# Altium PCB CMTestBoard.PcbDoc (part 2 of 2)
Units mil, origin at the board's own origin, x right, y up, seen from the top; angles counter-clockwise.
Board outline 3746.98 x 3732.78 mil, 4 copper layers (Top Layer, Layer 1, Layer 2, Bottom Layer), stack 22.4 mil thick; 125 components, 107 nets, 710 pads, 269 vias.
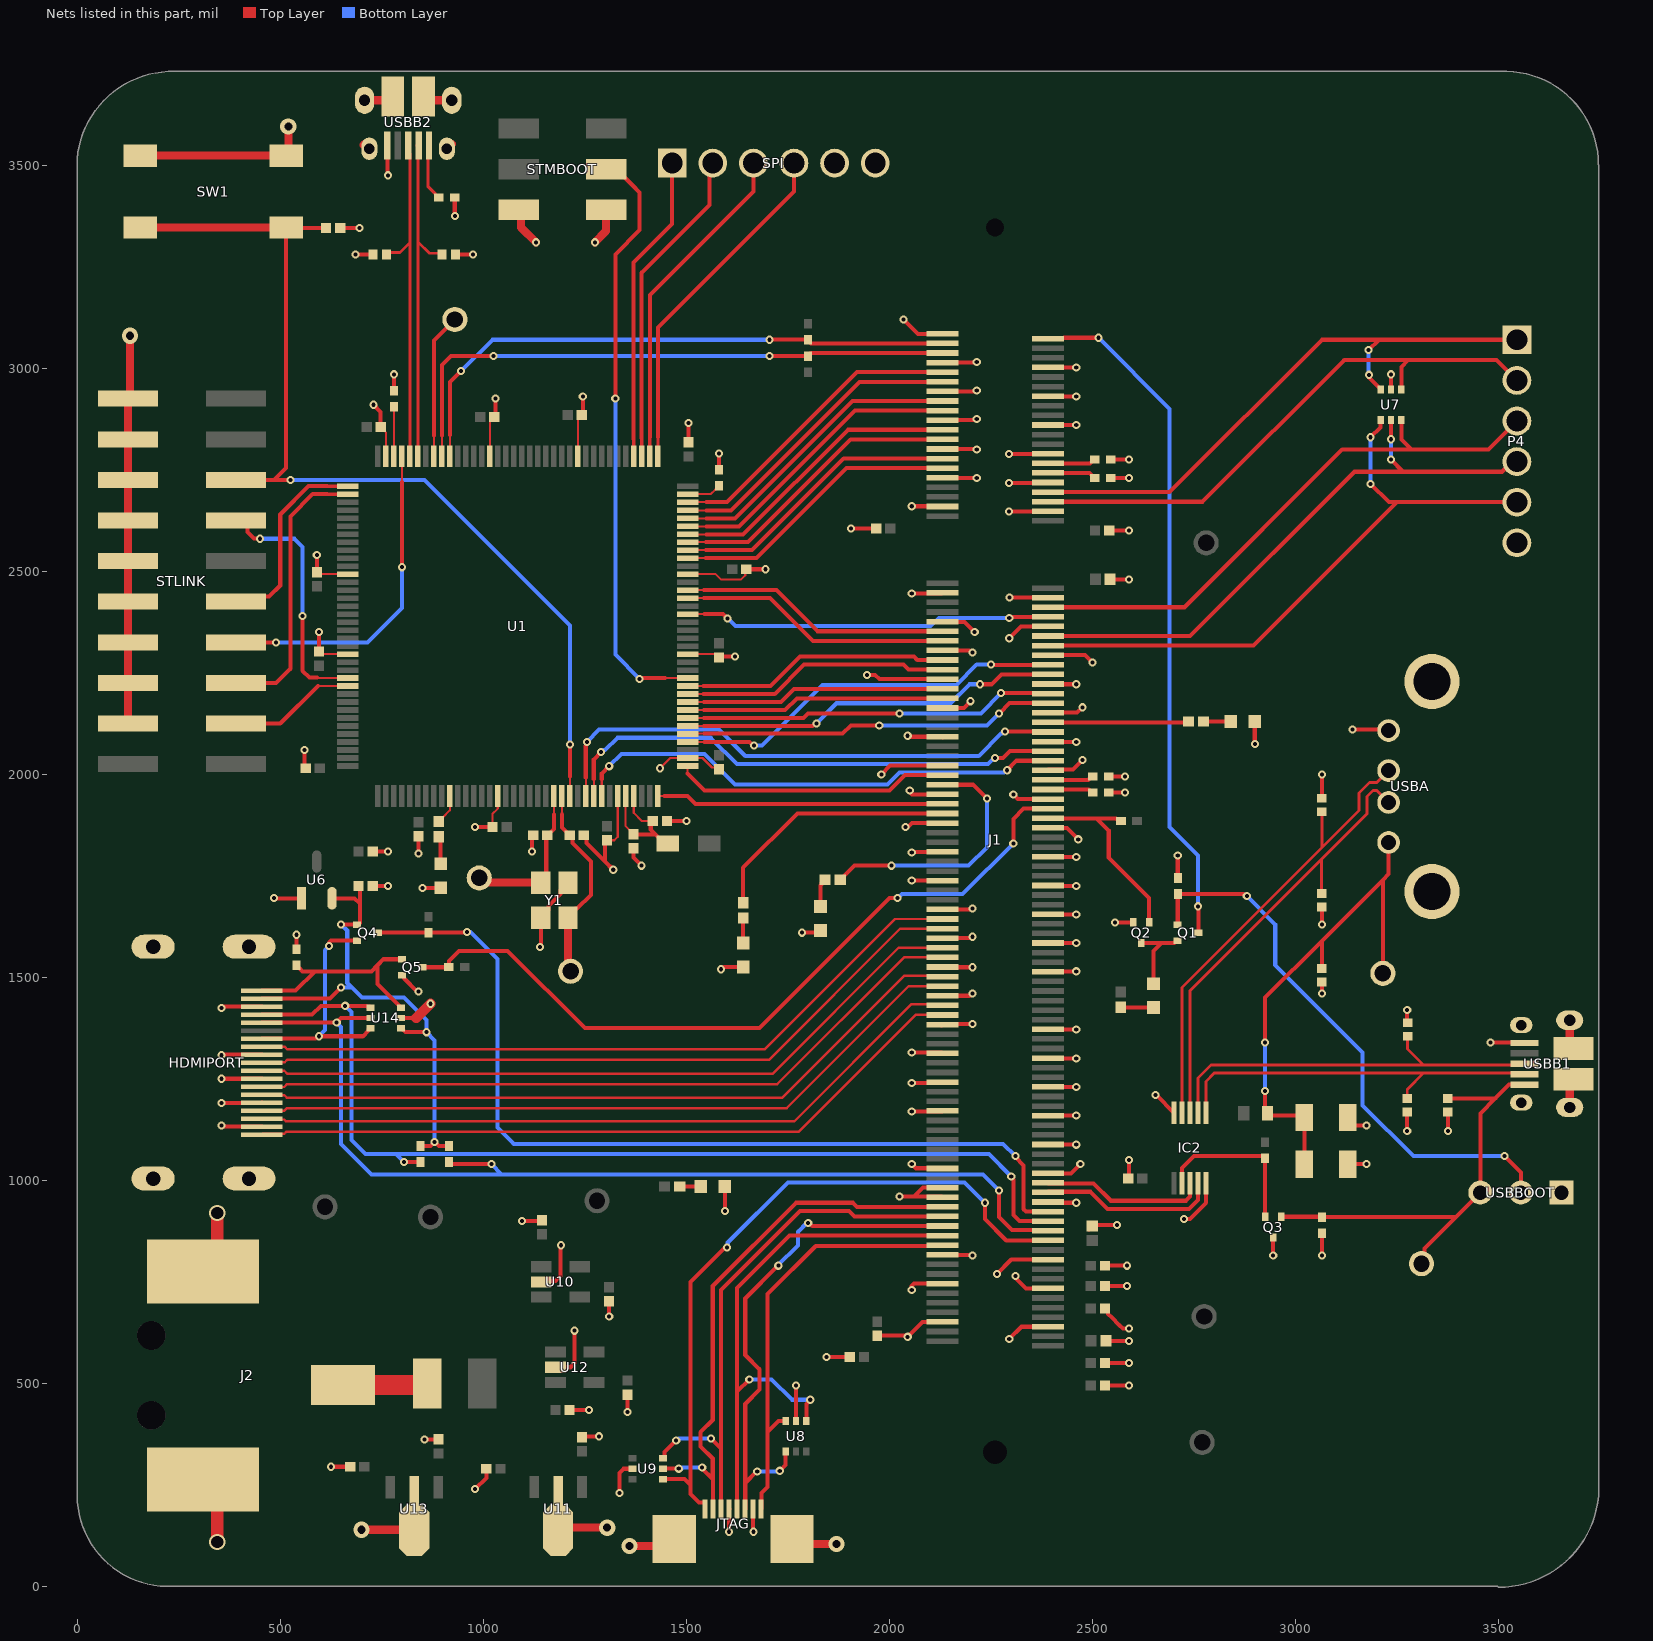
[diagram p4: the nets of this part, all layers, seen from the top]

## Via types
v1: diameter 20, hole 10, Top Layer to Bottom Layer, 245 vias
v2: diameter 40, hole 20, Top Layer to Bottom Layer, 22 vias
v3: diameter 40, hole 30, Top Layer to Bottom Layer, 2 vias

## Nets (pads, with @x,y where several pads share a name; then routed paths per layer and width w, separated by ;. In a path a pad name is that pad's centre, name@x,y a point inside that pad or via, vN(x,y) a via of type N, cw(c..) or ccw(c..) an arc to the next point about the centre after c; other vN are vias at no path point) (continued)
BOOT1: STMBOOT.4 U1.48 | length 1497.7
  Top Layer w5: 1447.05,2237.05 U1.48@1503.31,2237.05
  Top Layer w10: STMBOOT.4@1277.48,3490 1327.48,3490 1366.74,3450.74 1385,3432.48 1385,3340 1325,3280 v1(1325,2925) ; v1(1385,2235) 1386.91,2236.91 1393.98,2236.91 1394.12,2237.05 1447.05,2237.05
  Bottom Layer w10: v1(1325,2925) 1325,2295 v1(1385,2235)
CEC: HDMIPORT.13 Q4.2 U14.6 | length 588.9
  Top Layer w10: HDMIPORT.13@454.64,1349.06 455.16,1349.57 504.78,1349.57 505.21,1350 587.29,1350 v1@592.29,1355 ; v1(595,1355) 703.19,1355 717.76,1369.57 717.76,1371.54 720.63,1374.41 U14.6@722.6,1374.41 ; v1(620.21,1577.71) 620.21,1585.21 625.31,1590.31 Q4.2@689.41,1590.31
  Bottom Layer w10: v1(595,1355) 610,1370 610,1566.85 620.21,1577.06 v1(620.21,1577.71)
CHGND: D1.2 D2.2 D3.2 D4.2 D5.2 D6.2 D7.2 D8.2 HDMIPORT.2 HDMIPORT.5 HDMIPORT.8 HDMIPORT.11 HDMIPORT.17 HDMIPORT.Shell JTAG.MP1 JTAG.MP2 U7.2 U8.2 U9.2 U14.2 USBA.Shell USBB1.6 USBB1.7 USBB1.8 USBB1.9 USBB1.10 USBB1.11 USBB2.6 USBB2.7 USBB2.8 USBB2.9 USBB2.10 USBB2.11 | length 1708.1
  Top Layer w10: v1@353.34,1250.38 v1@353.72,1250 ; v1@353.81,1190.53 v1@354.86,1191.57 ; v1(355,1135) 357.71,1135 360.19,1132.52 HDMIPORT.2@454.64,1132.52 ; v1(355,1190.53) 403.97,1190.53 404.51,1191.06 454.13,1191.06 HDMIPORT.5@454.64,1191.57 ; v1(355,1250.38) 453.88,1250.38 454.13,1250.12 HDMIPORT.8@454.64,1250.63 ; v1(355,1308.25) 356.43,1309.68 HDMIPORT.11@454.64,1309.68 HDMIPORT.11@454.91,1309.42 ; v1(355,1425) 357.71,1425 360.5,1427.8 HDMIPORT.17@454.64,1427.8 ; v1(685,3280) D8.2@728.27,3280 ; U14.2@797.4,1400 835,1400 ; D7.2@931.73,3280 v1(975,3280) ; v1(1335,230) 1335,280 1345,290 U9.2@1367.6,290 ; U8.2@1770,407.4 v1(1770,495) ; v1(3065,1460) D1.2@3065,1484.7 ; v1(3065,1630) D2.2@3065,1673.27 ; D3.2@3065,1941.22 v1(3065,2000) ; U7.2@3235,2947.4 v1(3235,2985) ; v1@3275,1120 D5.2@3275,1168.27 ; v1(3275,1420) 3275,1392.38 3277.38,1390 D6.2@3275.87,1388.48 ; v1(3375,1121.88) D4.2@3375,1168.27
  Top Layer w20: USBB2.7@705,3549.53 707.72,3552.24 USBB2.7@719.53,3540.43 ; USBB2.8@707.72,3659.72 767.26,3659.72 USBB2.11@777.11,3669.57 ; USBB2.10@852.89,3669.57 862.74,3659.72 USBB2.9@922.28,3659.72 ; USBB2.6@910.47,3540.43 USBB2.6@922.28,3552.24 ; v2(1360,100) 1452.56,100 JTAG.MP1@1470.12,117.56 ; JTAG.MP2@1759.88,117.56 1772.44,105 v2(1870,105) ; USBB1.9@3675.16,1179.82 3675.16,1239.37 USBB1.10@3685,1249.21 ; USBB1.8@3675.16,1394.39 3675.16,1334.84 USBB1.11@3685,1325
  Top Layer w25: 835,1400 v1(870,1435)
  other v1: 3275,1121.88
COMMS_EN: J1.59 U1.46 | length 661.8
  Top Layer w5: U1.46@1503.31,2197.68 1542.68,2197.68
  Top Layer w10: 1542.68,2197.68 1717.68,2197.68 1790,2270 2035,2270 2047.17,2257.83 J1.59@2130.16,2257.83
CS: J1.58 U1.40 | length 972.9
  Top Layer w5: U1.40@1503.31,2079.57 1503.74,2080 1545,2080
  Top Layer w10: 1545,2080 1655.39,2080 1664.25,2071.15 v1(1666.25,2071.15) ; v1@2250,2269.65 J1.58@2390,2269.65
  Bottom Layer w10: v1(1666.25,2071.15) 1686.15,2071.15 1835,2220 2165,2220 2215,2270 v1(2250,2270)
CS2: SPI.4 U1.73 | length 860.7
  Top Layer w8: U1.73@1429.49,2783.31 1430,2783.82 1430,2830
  Top Layer w10: 1430,2830 1430,3100 1765,3435 SPI.4@1765,3505
EMMC_DISABLE_IN: J1.2 Q1.3 | length 1692.6
  Top Layer w10: J1.2@2390,3072.8 2391.89,3074.69 2429.91,3074.69 2430.23,3075 v1(2515,3075) ; v1(2760,1675) 2760.59,1674.41 Q1.3@2760.59,1610
  Bottom Layer w10: v1(2515,3075) 2690,2900 2690,1870 2760,1800 v1(2760,1675)
EMMC_EN_N1.8V: J1.90 Q2.1 R12.1 | length 492.8
  Top Layer w10: J1.90@2390,1891.69 2510.2,1891.69 ; R12.1@2570.32,1885 2565.47,1889.84 2559.5,1889.84 2557.65,1891.69 2510.2,1891.69 ; Q2.1@2639.68,1635.59 2639.68,1695.32 2540,1795 2540,1861.89 2517.65,1884.24 2510.2,1891.69
GND: C5.1 C6.2 C7.2 C8.2 C10.1 C11.2 C12.2 C13.2 C15.1 C16.2 C17.2 C18.2 C20.2 C21.1 C22.1 C23.2 C24.2 C25.2 C26.2 C27.2 C28.2 C29.2 C30.2 C31.2 C32.2 C33.2 C34.2 C35.2 C36.2 C37.2 C38.2 C39.2 C40.2 C41.2 C42.2 C43.1 C44.1 C45.2 C46.2 C47.2 C48.2 C49.2 C50.2 C51.2 C52.2 DS1.2 DS4.2 DS5.2 DS6.2 IC2.5 IC2.10 J1.1 J1.7 J1.8 J1.13 J1.14 J1.19 J1.20 J1.25 J1.26 J1.31 J1.32 J1.37 J1.38 J1.43 J1.44 J1.49 J1.50 J1.55 J1.56 J1.61 J1.62 J1.67 J1.68 J1.73 J1.74 J1.79 J1.80 J1.85 J1.86 J1.91 J1.92 J1.97 J1.98 J1.103 J1.104 J1.109 J1.110 J1.115 J1.116 J1.121 J1.122 J1.127 J1.133 J1.134 J1.139 J1.140 J1.145 J1.146 J1.151 J1.152 J1.157 J1.163 J1.164 J1.168 J1.169 J1.170 J1.181 J1.182 J1.187 J1.188 J1.195 J1.196 J2.2 J2.3 JTAG.4 JTAG.7 P4.6 PWR1.2 Q2.2 Q3.3 Q5.2 R1.2 R2.2 R3.2 R4.2 R11.1 R15.1 R18.2 R22.2 SPI.5 SPI.6 STLINK.4 STLINK.6 STLINK.8 STLINK.10 STLINK.12 STLINK.14 STLINK.16 STLINK.18 STLINK.20 STMBOOT.5 STMBOOT.6 SW1.3 SW1.4 U1.16 U1.31 U1.38 U1.51 U1.61 U1.83 U1.94 U1.107 U1.120 U1.130 U6.1 U10.2 U11.2 U12.2 U13.2 USBA.4 USBB1.5 USBB2.5 USBBOOT.1 Y1.2 Y1.4 | length 12864.3
  Top Layer w5: C30.2@590,2497.32 594.37,2492.95 U1.120@666.69,2492.95 ; C29.2@600,2296.1 U1.130@666.69,2296.1 ; C31.2@747.32,2855 747.91,2855 757.62,2845.3 757.62,2844.7 760.2,2842.13 U1.107@760.2,2783.31 ; U1.94@1016.1,2783.31 1016.1,2867.37 1017.03,2868.29 1017.03,2870.3 C32.2@1026.73,2880 ; C27.2@1022.68,1870 1022.68,1902.68 1035.55,1915.55 1035.55,1946.45 U1.16@1035.79,1946.69 ; U1.83@1232.64,2783.31 1232.64,2875.32 C33.2@1242.32,2885 ; C37.2@1305,1837.68 1322.68,1837.68 1331.06,1846.06 U1.31@1331.06,1946.69 ; v1(1435,2015) 1460.2,2040.2 U1.38@1503.31,2040.2 1539.8,2040.2 1563.22,2016.78 1575.9,2016.78 C36.2@1580,2012.68 ; U1.51@1503.31,2296.1 1571.57,2296.1 C35.2@1580,2287.68 ; U1.61@1503.31,2492.95 1572.05,2492.95 1585,2480 1635,2480 1645,2490 1645,2502.68 C34.2@1647.32,2505 ; DS6.2@1824.53,1610 DS6.2@1830,1615.47
  Top Layer w10: J2.3@310.31,264.09 J2.3@314.41,260 ; v1(485,1695) 485.3,1694.7 U6.1@552.6,1694.7 ; R22.2@540,1569.69 v1(540,1605) ; v1(560,2060) 560,2017.68 C39.2@562.68,2015 ; C30.2@590,2497.32 v1(590,2540) ; C29.2@595,2302.32 v1(595,2350) ; v1(625,295) C51.2@672.68,295 ; C42.2@647.32,3345 v1(695,3345) ; C24.2@723.78,1725 C24.2@727.32,1725 v1(765,1725) ; C23.2@723.78,1810 C23.2@727.32,1810 v1(765,1810) ; v1(730,2910) 747.32,2892.68 C31.2@747.32,2855 ; USBB2.5@763.82,3548.5 763.82,3476.18 v1(765,3475) ; C43.1@780,2944.68 v1(780,2985) ; Q5.2@799.41,1505.31 801.57,1505.31 804.45,1502.44 804.45,1497.85 837.29,1465 v1(840,1465) ; v1(840,1805) C28.2@840,1847.68 ; v1(850,1720) 894.53,1720 DS1.2@895,1720.47 ; v1@852.71,360 v1(855.03,362.32) C52.2@890,362.32 ; R18.2@929.69,3420 929.69,3375.31 v1(930,3375) ; v1(980,240) 1007.68,267.68 C49.2@1007.68,290 ; v1(980,1870) 1017.32,1870 1020,1867.32 C27.2@1022.68,1870 ; C32.2@1026.73,2880 1030,2883.27 v1(1030,2925) ; v1(1095,900) 1142.68,900 C45.2@1145,902.32 ; v1(1120,1810) 1120,1847.32 C26.2@1122.68,1850 ; v1(1140,1575) 1141.54,1576.54 Y1.4@1141.54,1646.69 1160.16,1665.32 1160.16,1675.16 1189.84,1704.84 1189.84,1714.68 Y1.2@1208.46,1733.31 ; U10.2@1142.76,750 1145.24,752.49 1177.49,752.49 1190,765 1190,839.14 v1(1191.25,840.39) ; U12.2@1177.76,540 1215,540 1225,550 v1(1225,630) ; C47.2@1212.32,435 v1(1260,435) ; C33.2@1242.32,2885 1245,2887.68 v1(1245,2930) ; C50.2@1242.83,367.35 1245.48,370 v1(1285,370) ; C25.2@1247.32,1850 1254.27,1843.05 1254.27,1830.73 1300,1785 ; C37.2@1305,1837.68 1300,1832.68 1300,1785 ; v1(1310,665) C48.2@1310,702.68 ; v1(1320,1765) 1300,1785 ; v1(1355,430) C46.2@1355,472.68 ; C41.2@1370,1817.68 1370,1795 v1(1390,1775) ; C40.2@1452.32,1885 v1(1500,1885) ; C38.2@1505,2817.32 v1(1505,2865) ; C35.2@1580,2287.68 1582.32,2290 v1(1620,2290) ; C44.1@1580,2749.68 v1(1580,2790) ; v1(1585,1520) 1587.71,1520 1593.18,1525.47 DS5.2@1640,1525.47 ; v1(1595,925) 1595,979.53 PWR1.2@1600.47,985 ; v1(1605,135) 1605.16,135.16 JTAG.4@1605.16,190.79 JTAG.4@1605.71,191.34 ; C34.2@1647.32,2505 v1(1695,2505) ; JTAG.7@1664.21,190.79 1664.21,135.79 v1(1665,135) ; v1(1785,1610) DS6.2@1824.53,1610 ; DS6.2@1834.53,1610 DS6.2@1835,1610.47 ; v1(1845,565) C7.2@1902.68,565 C7.2@1905.56,565 ; v1(1905,2605) C13.2@1967.68,2605 ; v1(1945,2245) 1965,2245 1975.79,2234.21 J1.61@2130.16,2234.21 ; C12.2@1980,617.68 2042.32,617.68 v1(2045,615) 2081.54,651.54 J1.196@2130.16,651.54 ; v1(1980,2000) 2001.61,2021.61 J1.79@2130.16,2021.61 ; v1(2025,960) 2060,960 ; v1(2035,3120) 2070.39,3084.61 J1.1@2130.16,3084.61 ; v1(2040,1870) 2045.24,1870 2055.12,1879.88 J1.91@2130.16,1879.88 ; v1(2045,2095) 2047.71,2095 2050.23,2092.48 J1.73@2130.16,2092.48 J1.73@2131.4,2091.24 ; v1(2050,1960) 2050,1956.5 2055.75,1950.75 J1.85@2130.16,1950.75 ; v1(2055,730) 2055,740 2061.02,746.02 J1.188@2130.16,746.02 ; v1(2055,1040) 2055.86,1040 2065.86,1030 2129.65,1030 J1.164@2130.16,1029.49 ; v1(2055,1170) 2128.94,1170 J1.152@2130.16,1171.22 ; v1(2055,1240) 2089.93,1240 2090.13,1240.2 2128.27,1240.2 J1.146@2130.16,1242.09 ; v1(2055,1315) 2089.93,1315 2090.09,1314.84 2128.27,1314.84 J1.139@2130.16,1312.95 ; v1(2055,2445) 2128.35,2445 J1.43@2130.16,2446.81 ; v1(2055,2660) 2129.57,2660 J1.37@2130.16,2659.41 ; v1@2055.53,1738.25 2055.63,1738.15 J1.103@2130.16,1738.15 ; v1@2055.72,1807.9 2056.84,1809.02 J1.97@2130.16,1809.02 ; J1.133@2128.27,1381.93 J1.133@2130.16,1383.82 ; J1.133@2128.27,1383.62 2129.65,1385 v1(2205,1385) ; J1.19@2128.27,2870.12 J1.19@2130.16,2872.01 2209.3,2872.01 2212.29,2875 v1(2215,2875) ; J1.182@2130.16,816.89 2203.11,816.89 v1(2205,815) ; J1.170@2130.16,958.62 2128.78,960 2060,960 ; J1.168@2130.16,982.24 2082.24,982.24 2060,960 ; J1.127@2130.16,1454.68 2196.98,1454.68 2202.29,1460 v1(2205,1460) ; J1.121@2130.16,1525.55 2129.61,1525 v1(2205,1525) ; J1.115@2130.16,1596.42 2196.42,1596.42 v1@2200,1600 ; J1.109@2130.16,1667.28 2199.58,1667.28 2202.29,1670 v1(2205,1670) ; J1.67@2130.16,2163.35 2183.35,2163.35 v1(2200,2180) ; J1.55@2130.16,2305.08 2130.24,2305 2197.29,2305 2202.29,2300 v1(2205,2300) ; J1.49@2130.16,2375.94 2129.21,2375 2185,2375 v1(2210,2350) ; J1.31@2130.16,2730.28 2129.88,2730 v1(2215,2730) ; J1.25@2130.16,2801.14 2213.86,2801.14 v1(2215,2800) ; J1.13@2130.16,2942.87 2210.17,2942.87 2212.29,2945 v1(2215,2945) ; J1.7@2130.16,3013.74 2130.79,3014.37 2214.37,3014.37 v1(2215,3015) ; v1(2265,770) 2300,805 2389.92,805 J1.181@2390,805.08 ; v1(2294.33,2647.51) 2390.09,2647.51 J1.38@2390,2647.6 ; v1(2294.33,2717.6) 2390.24,2717.6 2390.55,2717.91 J1.32@2390,2718.46 ; v1(2294.33,2789) 2390.33,2789 J1.26@2390,2789.33 ; v1(2295,610) 2324.72,639.72 J1.195@2390,639.72 ; v1(2295,2335) 2324.13,2364.13 J1.50@2390,2364.13 ; v1(2295.88,2434.95) J1.44@2390,2435 J1.44@2390,2435 ; v1(2305,1950) 2316.06,1938.94 J1.86@2390,1938.94 ; v1(2310,765) 2311.91,763.09 2311.91,758.09 2335.79,734.21 J1.187@2390,734.21 ; J1.169@2390,946.81 2391.81,945 v1@2455,945 ; J1.163@2390,1017.68 2390.15,1017.53 2447.53,1017.53 v1(2470,1040) ; J1.157@2390,1088.54 2455.9,1088.54 v1@2456.44,1088 ; J1.151@2390,1159.41 2390.59,1160 v1@2455,1160 ; J1.145@2390,1230.28 2390.28,1230 v1@2455,1230 ; J1.140@2390,1301.14 2391.14,1300 v1@2455,1300 ; J1.134@2390,1372.01 v1@2453.5,1372.02 ; J1.122@2390,1513.74 2391.26,1515 v1(2460,1515) ; J1.116@2390,1584.61 2390.39,1585 v1(2460,1585) ; J1.110@2390,1655.47 2390.47,1655 v1(2460,1655) ; J1.104@2390,1726.34 2391.34,1725 v1(2460,1725) ; J1.98@2390,1797.2 2390.5,1796.71 v1(2460,1796.71) ; J1.92@2390,1868.07 2390.27,1867.8 2437.2,1867.8 v1(2465,1840) ; J1.80@2390,2009.8 2391.89,2011.69 2451.69,2011.69 v1(2475,2035) ; J1.74@2390,2080.67 2390.67,2080 v1(2460,2080) ; J1.68@2390,2151.54 2390.47,2152 2462,2152 v1(2475,2165) ; J1.62@2390,2222.4 2390.58,2221.82 v1(2460,2221.82) ; J1.56@2390,2293.27 2390.45,2293.72 2481.28,2293.72 v1(2500,2275) ; J1.20@2390,2860.2 2390.2,2860 v1(2460,2860) ; J1.14@2390,2931.06 2390.29,2930.77 v1(2460,2930.77) ; J1.8@2390,3001.93 2390.39,3001.54 v1(2460,3001.54) ; C15.1@2491.51,879.62 C15.1@2500,888.11 2506.89,895 2511.89,890 v1(2560,890) ; C18.2@2530.75,685 2531.34,685 2538.54,677.8 2538.54,671.46 2547.66,662.34 2565.89,644.11 2575,635 v1(2590,635) ; C17.2@2532.32,740 v1(2585,740) ; C16.2@2532.32,790 v1(2585,790) ; C8.2@2537.32,495 v1(2590,495) ; C6.2@2537.32,550 v1(2590,550) ; C5.1@2538.11,605 v1(2590,605) ; R4.2@2539.69,1955 v1(2580,1955) ; R3.2@2539.69,1995 v1(2580,1995) ; C11.2@2540.94,2600 v1(2590,2600) ; C10.1@2543.31,2480 v1(2590,2480) ; R2.2@2544.69,2730 v1(2590,2730) ; R1.2@2544.69,2775 v1(2590,2775) ; v1(2555,1635) 2599.72,1635 Q2.2@2600.31,1635.59 ; C20.2@2587.68,1005 2590,1007.32 v1(2590,1050) ; v1(2655,1210) 2657.24,1210 IC2.10@2700.63,1166.61 ; R11.1@2710,1744.68 v1(2710,1800) ; v1(2725,905) 2725.18,905.18 2740.18,905.18 2780,945 2780,992.76 IC2.5@2779.37,993.39 ; DS4.2@2894.53,2130 DS4.2@2895,2129.53 ; DS4.2@2899.53,2130 2899.53,2075.47 v1(2900,2075) ; v1(2945,815) Q3.3@2945,859.41 ; v1(3065,815) R15.1@3065,870.32 ; C21.1@3128.15,1040 v1(3175,1040) ; C22.1@3128.15,1155 3148.15,1135 v1(3175,1135) ; v1(3140,2110) 3226.97,2110 USBA.4@3229.17,2107.8 ; v1(3480,1340) 3562.22,1340 USBB1.5@3563.94,1338.29
  Top Layer w20: STLINK.4@125,2125 STLINK.6@125,2225 STLINK.8@125,2325 STLINK.10@125,2425 STLINK.12@125,2525 STLINK.14@125,2625 STLINK.16@125,2725 STLINK.18@125,2825 STLINK.20@125,2925 130,2930 v2(130,3080) ; SW1.3@155.5,3523.5 SW1.4@514.5,3523.5 520,3529 v2(520,3595) ; v2(700,140) 821.5,140 826.5,135 U13.2@830,138.5 U13.2@830,236.93 ; STMBOOT.5@1087.52,3390 1093.28,3384.24 1093.28,3346.72 v1(1130,3310) ; U11.2@1184.06,237.13 U11.2@1184.06,138.7 1190.35,145 v2(1305,145) ; v1(1275,3310) 1302.48,3337.48 STMBOOT.6@1302.48,3390
  Top Layer w30: J2.2@310.31,775.91 345,810.59 v3(345,920) ; J2.3@314.41,260 355,219.41 345,209.41 v3(345,110)
  other v1: 2460,945 2460,1088 2460,1160 2460,1230 2460,1300 2460,1372.02 2205,1600 2055,1738.25 2055,1807.9
GP1: J1.34 P4.1 U7.3 | length 1456
  Top Layer w10: J1.34@2390,2694.84 2689.84,2694.84 3065,3070 3275,3070 P4.1@3545,3070 ; v1(3180,3045) 3205,3070 ; v1(3181.25,2983.75) 3181.25,2976.74 3210,2947.99 U7.3@3209.41,2947.4
  Bottom Layer w10: v1(3180,3045) 3180,2985 v1(3181.25,2983.75)
GP2: J1.36 P4.2 U7.1 | length 1399.8
  Top Layer w10: J1.36@2390,2671.22 2771.22,2671.22 3120,3020 3347.5,3020 3495,3020 P4.2@3545,2970 ; U7.1@3260.59,2947.4 3260.59,3003.09 3277.5,3020
GP3: J1.46 P4.3 U7.6 | length 1427.7
  Top Layer w10: J1.46@2390,2411.38 2726.38,2411.38 3115,2800 3355,2800 3475,2800 P4.3@3545,2870 ; U7.6@3260.59,2872.6 3260.59,2824.41 3285,2800
GP4: J1.52 P4.4 U7.5 | length 1472.9
  Top Layer w10: J1.52@2390,2340.51 2740.51,2340.51 3145,2745 3265,2745 ; v1(3235,2775) 3265,2745 ; v1(3235,2825) U7.5@3235,2872.6 ; P4.4@3545,2770 3533.71,2770 3508.71,2745 3265,2745
  Bottom Layer w10: v1(3235,2775) v1(3235,2825)
GP5: J1.54 P4.5 U7.4 | length 1554.6
  Top Layer w10: J1.54@2390,2316.89 2896.89,2316.89 3250,2670 ; v1(3185,2715) 3230,2670 3250,2670 ; v1(3185,2830) 3209.04,2854.04 3209.04,2872.23 U7.4@3209.41,2872.6 U7.4@3209.41,2870.63 ; P4.5@3545,2670 3250,2670
  Bottom Layer w10: v1(3185,2715) v1(3185,2830)
GP6: TP14.1 U1.101 | length 358.1
  Top Layer w5: U1.101@878.31,2783.31 878.31,2834.25
  Top Layer w10: 878.31,2834.25 878.31,3068.31 TP14.1@930,3120
GPS_EN: J1.57 U1.47 | length 660.5
  Top Layer w5: U1.47@1503.31,2217.36 1542.36,2217.36
  Top Layer w10: 1542.36,2217.36 1707.36,2217.36 1780,2290 1785.52,2290 2060,2290 2068.54,2281.46 J1.57@2130.16,2281.46
GPS_RX_3.3: J1.53 U1.58 | length 670.4
  Top Layer w5: U1.58@1503.31,2433.9 1543.9,2433.9
  Top Layer w10: 1543.9,2433.9 1706.1,2433.9 1811.3,2328.7 J1.53@2130.16,2328.7
GPS_TX_3.3: J1.51 U1.59 | length 668.8
  Top Layer w5: U1.59@1503.31,2453.58 1543.58,2453.58
  Top Layer w10: 1543.58,2453.58 1721.42,2453.58 1822.68,2352.32 J1.51@2130.16,2352.32
H5V: C24.1 HDMIPORT.18 Q4.1 R20.2 R21.2 U6.2 U14.1 | length 1279.9
  Top Layer w10: HDMIPORT.18@454.64,1447.48 622.48,1447.48 v1(650,1475) ; U6.2@627.4,1694.7 683.23,1694.7 696.22,1681.71 ; v1(650,1630) 650.32,1629.68 Q4.1@689.41,1629.68 ; Q4.1@691.57,1629.68 696.22,1634.33 696.22,1681.71 ; C24.1@696.22,1725 696.22,1681.71 ; U14.1@797.4,1374.41 799.37,1374.41 802.24,1371.54 802.24,1370.86 808.1,1365 v1(860,1365) ; R20.2@845,1084.69 845.31,1085 869.52,1085 879.52,1095 v1(880,1095) ; v1@880.16,1095 890.48,1084.69 R21.2@915,1084.69
  Bottom Layer w10: v1(650,1475) 676.04,1475 ; v1(650,1630) 665,1615 665,1486.63 676.33,1475.29 686.33,1465.29 701.63,1450 805,1450 860,1395 v1(860,1365) 880,1345 v1(880,1095)
HDMI_CEC: J1.171 Q4.3 R17.1 | length 2243.3
  Top Layer w10: Q4.3@740.59,1610 741.06,1610.47 865,1610.47 959.12,1610.47 v1(960.25,1611.6) ; v1(2310,1060) 2310,1057.29 2330,1037.29 2330,929.05 2335.86,923.19 J1.171@2390,923.19
  Bottom Layer w10: v1(960.25,1611.6) 968.4,1611.6 1035,1545 1035,1130 1075,1090 2280,1090 v1(2310,1060)
HDMI_CLK_N: HDMIPORT.12 J1.111 | length 1811.2
  Top Layer w6: HDMIPORT.12@454.64,1329.37 455.33,1328.69 511.31,1328.69 517.32,1322.68 1692.69,1322.68 2013.66,1643.66 J1.111@2130.16,1643.66
HDMI_CLK_P: HDMIPORT.10 J1.113 | length 1812.2
  Top Layer w6: HDMIPORT.10@454.64,1290 455.68,1291.03 511.03,1291.03 516.68,1296.68 1703.45,1296.68 2026.77,1620 J1.113@2130.12,1620
  Top Layer w10: J1.113@2130.12,1620 J1.113@2130.16,1620.04
HDMI_D0_N: HDMIPORT.9 J1.117 | length 1806.9
  Top Layer w6: HDMIPORT.9@454.64,1270.31 454.96,1270 510,1270 517,1263 1713,1263 2022.8,1572.8 J1.117@2130.16,1572.8
HDMI_D0_P: HDMIPORT.7 J1.119 | length 1809.3
  Top Layer w6: HDMIPORT.7@454.64,1230.94 455.59,1230 510,1230 517,1237 1723.77,1237 2035.94,1549.17 J1.119@2130.16,1549.17
  Top Layer w10: J1.119@2129.33,1550 J1.119@2130.16,1549.17
HDMI_D1_N: HDMIPORT.6 J1.123 | length 1803.9
  Top Layer w6: HDMIPORT.6@454.64,1211.26 455.9,1210 510,1210 516.06,1203.94 1736.36,1203.94 2036.72,1504.31 2127.78,1504.31 J1.123@2130.16,1501.93
HDMI_D1_P: HDMIPORT.4 J1.125 | length 1802.4
  Top Layer w6: HDMIPORT.4@454.64,1171.89 510.31,1171.89 516.36,1177.94 1747.13,1177.94 2047.49,1478.31 J1.125@2130.16,1478.31
HDMI_D2_N: HDMIPORT.3 J1.129 | length 1798.5
  Top Layer w6: HDMIPORT.3@454.64,1152.2 456.78,1150.07 509.93,1150.07 514.47,1145.53 1765.53,1145.53 2053.44,1433.44 2127.78,1433.44 J1.129@2130.16,1431.06
HDMI_D2_P: HDMIPORT.1 J1.131 | length 1797.5
  Top Layer w6: HDMIPORT.1@454.64,1112.83 456.76,1114.95 509.95,1114.95 514.53,1119.53 1776.3,1119.53 2064.21,1407.44 J1.131@2130.16,1407.44
HDMI_HPD_N_1V8: J1.88 Q5.3 R16.2 | length 1897.8
  Top Layer w10: Q5.3@850.59,1525 R16.2@910.47,1525 ; R16.2@915.31,1525 915.31,1540.31 940,1565 1060,1565 1250,1375 1680,1375 2000,1695 v1(2020,1695) ; v1(2305,1830) 2305,1890 2330.32,1915.32 J1.88@2390,1915.32
  Bottom Layer w10: v1(2020,1695) 2020.86,1695 2030.86,1705 2180,1705 v1(2305,1830)
HDMI_SCL: HDMIPORT.15 J1.175 R21.1 U14.5 | length 2586.5
  Top Layer w10: HDMIPORT.15@454.64,1388.43 454.93,1388.71 637.29,1388.71 638,1388 v1(639,1389) 650,1400 U14.5@722.6,1400 ; R21.1@915,1045.32 915,1044.84 919.84,1040 v1(1020,1040) ; v1(2270,975) 2270,910 2302.05,877.95 2349.77,877.95 2349.89,877.83 2388.11,877.83 J1.175@2390,875.94
  Bottom Layer w10: v1(639,1389) 650,1378 650,1090 725,1015 1045,1015 ; v1(1020,1040) 1045,1015 ; v1(2270,975) 2230,1015 1045,1015
HDMI_SDA: HDMIPORT.16 J1.173 R20.1 U14.4 | length 2534.2
  Top Layer w10: HDMIPORT.16@454.64,1408.11 578.11,1408.11 600,1430 v1(659.96,1430) 711.9,1430 713.43,1428.46 719.72,1428.46 U14.4@722.6,1425.59 ; v1(805,1045) 844.68,1045 R20.1@845,1045.32 ; v1(2300,1010) 2300,1007.29 2305,1002.29 2305,915 2320.43,899.57 J1.173@2390,899.57
  Bottom Layer w10: v1(659.96,1430) 675,1414.96 675,1100 710,1065 785,1065 ; v1(805,1045) 785,1065 ; v1(2300,1010) 2245,1065 785,1065
HPD: HDMIPORT.19 Q5.1 R22.1 U14.3 | length 558.6
  Top Layer w10: HDMIPORT.19@454.64,1467.17 537.17,1467.17 585,1515 ; R22.1@540,1530.32 540,1528.35 544.84,1523.5 546.81,1523.5 555.31,1515 585,1515 ; U14.3@797.4,1425.59 795.43,1425.59 792.56,1428.46 792.56,1430.43 739.84,1483.15 739.84,1529.84 ; Q5.1@799.41,1544.68 754.68,1544.68 739.84,1529.84 ; 585,1515 725,1515 739.84,1529.84
HSD1+: D6.1 IC2.7 USBB1.3 | length 992.6
  Top Layer w7: IC2.7@2759.68,1166.61 2759.68,1252.48 2791.51,1284.31 3315,1284.31 ; D6.1@3275,1354.15 D6.1@3275.87,1355.02 3275.87,1323.45 3315,1284.31 ; USBB1.3@3563.94,1287.11 3561.14,1284.31 3315,1284.31
HSD1-: D5.1 IC2.6 USBB1.2 | length 950.6
  Top Layer w7: IC2.6@2779.37,1166.61 2779.37,1243.88 2799.8,1264.31 3315,1264.31 ; D5.1@3275,1201.73 3275,1224.31 3315,1264.31 ; USBB1.2@3563.94,1261.52 3561.14,1264.31 3315,1264.31
HSD2+: D3.1 IC2.9 USBA.3 | length 1151.5
  Top Layer w7: IC2.9@2720.32,1166.61 2720.32,1475.28 3065.02,1819.98 ; D3.1@3065,1907.76 3065,1820 ; USBA.3@3229.17,2009.37 3199.8,1980 3182.44,1980 3156.22,1953.78 3156.22,1911.19 3065.02,1819.98
HSD2-: D2.1 IC2.8 USBA.2 | length 1118.1
  Top Layer w6: IC2.8@2738.16,1168.46 IC2.8@2740,1166.61
  Top Layer w7: IC2.8@2740.56,1166.05 2740.56,1467.24 3064.16,1790.84 ; D2.1@3064.16,1707.57 3064.16,1790.84 ; USBA.2@3229.17,1930.63 3199.8,1960 3190.73,1960 3176.22,1945.49 3176.22,1902.91 3064.16,1790.84
  Top Layer w10: D2.1@3064.16,1707.57 D2.1@3065,1706.73
JTCK: STLINK.9 U1.109 | length 496.7
  Top Layer w8: 615,2710 615.51,2709.49 U1.109@666.69,2709.49
  Top Layer w10: STLINK.9@390.75,2425 403.48,2437.73 472.73,2437.73 500,2465 500,2640 570,2710 615,2710
JTDI: STLINK.5 U1.110 | length 688.3
  Top Layer w8: 615,2690 615.2,2689.8 U1.110@666.69,2689.8
  Top Layer w10: STLINK.5@390.75,2225 490,2225 525,2260 525,2635 580,2690 615,2690
JTDO: STLINK.13 U1.133 | length 623.8
  Top Layer w5: 591.93,2237.05 U1.133@666.69,2237.05
  Top Layer w8: 590.83,2238.14 591.93,2237.05
  Top Layer w10: STLINK.13@390.75,2625 404.89,2625 419.58,2610.31 419.58,2596.17 435.2,2580.55 449.45,2580.55 v1(450,2580) ; v1(555,2390) 555,2254.96 572.06,2237.89 590.59,2237.89 590.83,2238.14
  Bottom Layer w10: v1(450,2580) 535,2580 555,2560 v1(555,2390)
JTMS: STLINK.7 U1.105 | length 817.9
  Top Layer w5: 800,2720 U1.105@800,2782.87
  Top Layer w8: U1.105@799.57,2783.31 U1.105@800,2782.87
  Top Layer w10: STLINK.7@390.75,2325 v1(490,2325) ; v1(800,2510) 800,2720
  Bottom Layer w10: v1(490,2325) 715,2325 800,2410 v1(800,2510)
JTRST: STLINK.3 U1.134 | length 314.3
  Top Layer w5: 592.64,2217.36 U1.134@666.69,2217.36
  Top Layer w8: 592.5,2217.5 592.64,2217.36
  Top Layer w10: STLINK.3@390.75,2125 500,2125 592.5,2217.5
LED1: R19.2 U1.10 | length 75
  Top Layer w5: R19.2@890,1883.7 890,1884.69 900.3,1894.98 901.28,1894.98 917.68,1911.38 U1.10@917.68,1946.69
LED4: J1.70 R8.2 | length 347.2
  Top Layer w10: J1.70@2390,2127.91 2734.21,2127.91 R8.2@2736.3,2130
LED5: J1.89 R9.2 | length 631.8
  Top Layer w10: R9.2@1640,1683.7 1640,1770 1773.5,1903.5 J1.89@2130.16,1903.5
LED6: J1.83 R10.2 | length 639.1
  Top Layer w10: R10.2@1878.7,1740 1879.69,1740 1887.48,1747.8 1887.48,1748.78 1913.7,1775 v1(2005,1775) ; J1.83@2130.16,1974.37 2205.63,1974.37 v1(2240,1940)
  Bottom Layer w10: v1(2005,1775) 2195,1775 2240,1820 v1(2240,1940)
MISO: J1.60 U1.42 | length 939.3
  Top Layer w5: U1.42@1503.31,2118.94 1543.94,2118.94
  Top Layer w10: 1543.94,2118.94 1811.23,2118.94 1817.29,2125 v1(1820,2125) ; v1(2222.7,2221.74) 2251.74,2221.74 2276.02,2246.02 J1.60@2390,2246.02
  Bottom Layer w10: v1(1820,2125) 1870,2175 2150,2175 2196.74,2221.74 v1(2222.7,2221.74)
MISO2: SPI.2 U1.75 | length 794.2
  Top Layer w8: 1390,2828.31 1390,2783.43 U1.75@1390.12,2783.31
  Top Layer w10: 1390,2828.31 1390,3235 1556.84,3401.84 1556.84,3496.84 SPI.2@1565,3505
MOSI: J1.64 U1.43 | length 912.6
  Top Layer w5: U1.43@1503.31,2138.62 1543.62,2138.62
  Top Layer w10: 1543.62,2138.62 1788.62,2138.62 1800,2150 v1(2025,2150) ; v1(2275,2200) 2388.78,2200 J1.64@2390,2198.78
  Bottom Layer w10: v1(2025,2150) 2225,2150 v1(2275,2200)
MOSI2: SPI.1 U1.76 | length 761.2
  Top Layer w8: 1370,2825 1370.43,2824.57 U1.76@1370.43,2783.31
  Top Layer w10: 1370,2825 1370,3260 1465,3355 SPI.1@1465,3505
NetC43_2: C43.2 U1.106 | length 122.1
  Top Layer w5: U1.106@779.88,2783.31 779.88,2905.2 C43.2@780,2905.31
NetC44_2: C44.2 U1.71 | length 86.3
  Top Layer w5: U1.71@1503.31,2689.8 1559.49,2689.8 1570.69,2701 1572.66,2701 1580,2708.35 C44.2@1580,2710.31
NetDS1_1: DS1.1 R19.1 | length 68.8
  Top Layer w10: R19.1@890,1846.3 895,1841.3 DS1.1@895,1779.52
NetDS4_1: DS4.1 R8.1 | length 66.8
  Top Layer w10: R8.1@2773.7,2130 DS4.1@2840.48,2130
NetDS5_1: DS5.1 R9.1 | length 61.8
  Top Layer w10: DS5.1@1640,1584.52 R9.1@1640,1646.3
NetDS6_1: DS6.1 R10.1 | length 70.7
  Top Layer w10: DS6.1@1830,1674.52 1830,1726.35 1832.52,1728.86 1832.52,1732.2 1840.31,1740 R10.1@1841.3,1740
NetDS7_1: DS7.1 R13.1 | length 80.3
  Top Layer w10: R13.1@2570,1426.3 2649.17,1426.3 DS7.1@2650,1425.48
NetF1_1: F1.1 J2.1 | length 208.8
  Top Layer w30: F1.1@858.46,496.38 F1.1@862.09,500
  Top Layer w50: J2.1@654.8,496.38 F1.1@858.46,496.38
NetJ1_28: J1.28 R1.1 | length 119.2
  Top Layer w10: J1.28@2390,2765.71 2494.06,2765.71 2503.35,2775 R1.1@2505.32,2775
NetJ1_30: J1.30 R2.1 | length 121.1
  Top Layer w10: J1.30@2390,2742.09 2492.65,2742.09 2498.5,2736.23 2498.5,2734.84 2503.35,2730 R2.1@2505.32,2730
NetJ1_82: J1.82 R3.1 | length 114
  Top Layer w10: J1.82@2390,1986.18 2489.53,1986.18 2498.35,1995 R3.1@2500.32,1995
NetJ1_84: J1.84 R4.1 | length 113.4
  Top Layer w10: J1.84@2390,1962.56 2490.79,1962.56 2498.35,1955 R4.1@2500.32,1955
NetPWR1_1: PWR1.1 R7.2 | length 50.8
  Top Layer w10: R7.2@1484.69,985 PWR1.1@1535.48,985
NetQ1_1: Q1.1 R11.2 USBBOOT.2 | length 1389.5
  Top Layer w10: Q1.1@2709.41,1629.68 2710,1630.28 R11.2@2710,1705.31 2851.98,1705.31 2852.29,1705 2872.29,1705 2877.29,1700 v1(2880,1700) ; v1(3515,1060) 3555,1020 USBBOOT.2@3555,970
  Bottom Layer w10: v1(2880,1700) 2950,1630 2950,1530 3165,1315 3165,1185 3290,1060 v1(3515,1060)
NetR18_1: R18.1 USBB2.1 | length 140.9
  Top Layer w8: USBB2.1@863.9,3548.78 863.9,3446.42 882.5,3427.81 882.5,3425.84 888.35,3420 R18.1@890.32,3420
NRST: C42.1 STLINK.15 SW1.1 SW1.2 U1.25 | length 2482.5
  Top Layer w5: U1.25@1212.95,1946.69 1212.95,1994.76
  Top Layer w8: 1212.95,1994.76 1213.19,1995
  Top Layer w10: STLINK.15@390.75,2725 485,2725 ; v1(525,2725) 485,2725 ; C42.1@612.68,3345 516,3345 SW1.2@514.5,3346.5 514.5,2754.5 485,2725 ; 1213.19,1995 v1(1213.19,2073.43)
  Top Layer w20: SW1.1@155.5,3346.5 SW1.2@514.5,3346.5
  Bottom Layer w10: v1(525,2725) 855,2725 1213.19,2366.81 v1(1213.19,2073.43)
OSC_IN: C26.1 TP7.1 U1.23 Y1.3 | length 383.4
  Top Layer w5: 1173.58,1901.42 U1.23@1173.58,1946.69
  Top Layer w10: Y1.3@1141.54,1733.31 1155,1746.77 1155,1847.68 C26.1@1157.32,1850 1157.91,1850 1173.58,1865.67 1173.58,1901.42
  Top Layer w20: TP7.1@990,1745 1001.31,1745 1013.01,1733.31 Y1.3@1141.54,1733.31
OSC_OUT: C25.1 TP6.1 U1.24 Y1.1 | length 490.2
  Top Layer w5: 1193.27,1901.73 U1.24@1193.27,1946.69
  Top Layer w10: 1193.27,1901.73 1193.27,1868.82 1212.09,1850 C25.1@1212.68,1850 1219.45,1843.23 1219.45,1830.55 1265,1785 1265,1703.23 1231.02,1669.25 1227.09,1669.25 1208.46,1650.63 Y1.1@1208.46,1646.69
  Top Layer w20: Y1.1@1208.46,1646.69 1208.46,1521.54 TP6.1@1215,1515
RUN: J1.177 JTAG.1 U9.4 | length 1725.7
  Top Layer w10: U9.4@1442.4,264.41 1495.59,264.41 1510,250 ; JTAG.1@1546.1,190.79 1546.1,205.86 1545.2,206.77 1531.34,206.77 1510,228.11 1510,250 ; v1(1600,835) 1595,835 1510,750 1510,250 ; v1(2235,945) 2235,905 2287.68,852.32 J1.177@2390,852.32
  Bottom Layer w10: v1(1600,835) 1601.91,836.91 1601.91,846.91 1750,995 2185,995 v1(2235,945)
SARA_EN: J1.48 U1.56 | length 909.3
  Top Layer w5: U1.56@1503.31,2394.53 1544.53,2394.53 1545,2395
  Top Layer w10: 1545,2395 1590,2395 v1(1601.35,2383.65) ; v1(2295,2385) 2297.71,2385 2300.46,2387.76 J1.48@2390,2387.76
  Bottom Layer w10: v1@1601.35,2385 1621.35,2365 2101.59,2365 2121.59,2385 v1(2295,2385)
SCK2: SPI.3 U1.74 | length 827.4
  Top Layer w8: U1.74@1409.8,2783.31 1410,2783.5 1410,2830
  Top Layer w10: 1410,2830 1410,3180 1665,3435 SPI.3@1665,3505
SCL: J1.5 R6.2 U1.100 | length 1470.4
  Top Layer w5: U1.100@898.39,2783.7 898.39,2834.65
  Top Layer w8: U1.100@897.99,2783.31 U1.100@898.39,2783.7
  Top Layer w10: 898.39,2834.65 898.39,3008.39 920,3030 v1(1025,3030) ; v1(1705,3030) 1705.31,3029.69 R6.2@1800,3029.69 1800,3031.65 1804.84,3036.5 1806.81,3036.5 1807.68,3037.36 J1.5@2130.16,3037.36
  Bottom Layer w10: v1(1025,3030) v1(1705,3030)
SCLK: J1.66 U1.41 | length 918.1
  Top Layer w5: U1.41@1503.31,2099.25 1504.06,2100 1545,2100
  Top Layer w10: 1545,2100 1885,2100 1905,2120 v1(1975,2120) ; v1(2270,2150) 2270.7,2150 2295.86,2175.16 J1.66@2390,2175.16
  Bottom Layer w10: v1(1975,2120) 2240,2120 v1(2270,2150)
SDA: J1.3 R5.2 U1.99 | length 1441.1
  Top Layer w5: U1.99@918.01,2783.64 918.01,2835.88
  Top Layer w8: U1.99@917.68,2783.31 U1.99@918.01,2783.64
  Top Layer w10: 918.01,2835.88 918.01,2965.83 v1(945.52,2993.34) ; v1(1705,3070) 1705.31,3070.31 R5.2@1800,3070.31 ; R5.2@1800,3068.35 1807.36,3060.98 J1.3@2130.16,3060.98
  Bottom Layer w10: v1(945.52,2993.34) 1022.18,3070 v1(1705,3070)
SEL: IC2.2 Q3.2 R14.2 | length 397.9
  Top Layer w10: IC2.2@2720.32,993.39 2720.32,1030.32 2750,1060 R14.2@2925,1060 ; R14.2@2924.4,1054.2 2925,1053.6 2925,910.91 Q3.2@2925.31,910.59
TC1: J1.63 U1.45 | length 640.4
  Top Layer w5: U1.45@1503.31,2177.99 1542.99,2177.99
  Top Layer w10: 1542.99,2177.99 1732.99,2177.99 1765,2210 1896.08,2210 1896.67,2210.59 J1.63@2130.16,2210.59
TC2: J1.65 U1.44 | length 638.7
  Top Layer w5: U1.44@1503.31,2158.31 1543.31,2158.31
  Top Layer w10: 1543.31,2158.31 1743.31,2158.31 1771.97,2186.97 J1.65@2130.16,2186.97
TC3: J1.81 U1.37 | length 679.3
  Top Layer w5: 1502.5,2002.5 1503.31,2003.31 U1.37@1503.31,2020.51
  Top Layer w10: 1502.5,2002.5 1545,1960 2000,1960 2037.99,1997.99 J1.81@2130.16,1997.99
TC4: J1.87 U1.36 | length 708.8
  Top Layer w5: U1.36@1429.49,1946.69 1446.69,1946.69
  Top Layer w10: 1446.69,1946.69 1503.31,1946.69 1522.87,1927.13 J1.87@2130.16,1927.13
TC5: J1.29 U1.63 | length 718.6
  Top Layer w5: U1.63@1503.31,2532.32 1547.68,2532.32
  Top Layer w10: 1547.68,2532.32 1672.32,2532.32 1893.9,2753.9 J1.29@2130.16,2753.9
TCK: J1.180 JTAG.8 U8.3 | length 1075.5
  Top Layer w10: JTAG.8@1683.9,190.79 1684.8,191.69 1684.8,229.8 1700,245 1700,380 ; U8.3@1744.41,407.4 1727.39,407.39 1700,380 ; J1.180@2130.16,840.51 2132.05,838.62 1818.62,838.62 1700,720 1700,380
TDI: J1.174 JTAG.3 U9.6 | length 1351.3
  Top Layer w10: U9.6@1442.4,315.59 1443.09,315.59 1445.96,318.46 1445.96,330.96 v1(1475,360) ; v1(1561.07,364.34) 1585.47,339.93 ; JTAG.3@1585.47,190.79 1585.47,339.93 ; J1.174@2130.16,911.38 1913.62,911.38 1900,925 1780,925 1585.47,730.47 1585.47,339.93
  Bottom Layer w10: v1(1475,360) 1477.71,360 1482.05,364.34 v1(1561.07,364.34)
TDO: J1.178 JTAG.5 U8.1 | length 1372.6
  Top Layer w10: JTAG.5@1624.84,190.79 1625,190.94 1625,400 1625,480 ; v1(1655,510) 1625,480 ; U8.1@1795.59,407.4 1795.59,449.14 1805,458.55 v1(1805,460) ; J1.178@2130.16,864.13 1754.13,864.13 1625,735 1625,480
  Bottom Layer w10: v1(1655,510) 1710,510 1760,460 v1(1805,460)
TMS: J1.176 JTAG.6 U8.4 | length 1286.1
  Top Layer w10: JTAG.6@1644.53,190.79 1645,191.26 1645,255 ; v1(1674.62,283.23) 1673.23,283.23 1645,255 ; v1(1726.38,790) 1725.86,790 1645,709.14 1645,570 1680,535 1680,485 1645,450 1645,255 ; v1(1730,285) 1744.41,299.41 U8.4@1744.41,332.6 ; v1(1800,895) 1802.71,895 1809.95,887.76 J1.176@2130.16,887.76
  Bottom Layer w10: v1(1674.62,283.23) 1728.23,283.23 v1(1730,285) ; v1(1726.38,790) 1725,790 1775,840 1775,873.56 1796.44,895 v1(1800,895)
TOG1: J1.9 U1.70 | length 759.5
  Top Layer w5: U1.70@1503.31,2670.12 1549.88,2670.12 1550,2670
  Top Layer w10: 1550,2670 1600,2670 1920.12,2990.12 J1.9@2130.16,2990.12
TOG2: J1.11 U1.69 | length 758.1
  Top Layer w5: U1.69@1503.31,2650.43 1503.74,2650 1550,2650
  Top Layer w10: 1550,2650 1610,2650 1926.5,2966.5 J1.11@2130.16,2966.5
TOG3: J1.15 U1.68 | length 747
  Top Layer w5: U1.68@1503.31,2630.75 1504.06,2630 1550,2630
  Top Layer w10: 1550,2630 1620,2630 1909.25,2919.25 J1.15@2130.16,2919.25
TOG4: J1.17 U1.67 | length 745.6
  Top Layer w5: U1.67@1503.31,2611.06 1504.37,2610 1550,2610
  Top Layer w10: 1550,2610 1630,2610 1915.63,2895.63 J1.17@2130.16,2895.63
TOG5: J1.21 U1.66 | length 734.4
  Top Layer w5: U1.66@1503.31,2591.38 1504.68,2590 1550,2590
  Top Layer w10: 1550,2590 1640,2590 1898.39,2848.39 J1.21@2130.16,2848.39
TOG6: J1.23 U1.65 | length 731.7
  Top Layer w5: U1.65@1503.31,2571.69 1548.31,2571.69
  Top Layer w10: 1548.31,2571.69 1651.69,2571.69 1904.76,2824.76 J1.23@2130.16,2824.76
TOG7: J1.27 U1.64 | length 720.3
  Top Layer w5: U1.64@1503.31,2552.01 1547.99,2552.01
  Top Layer w10: 1547.99,2552.01 1662.01,2552.01 1887.52,2777.52 J1.27@2130.16,2777.52
TOG8: J1.78 U1.29 | length 1228.6
  Top Layer w5: U1.29@1291.69,1946.69 1291.69,1988.31
  Top Layer w10: 1291.69,1988.31 1291.69,2001.69 v1(1310,2020) ; v1(2290,2010) 2313.43,2033.43 J1.78@2390,2033.43
  Bottom Layer w10: v1(1310,2020) 1340,2050 1544.88,2050 1619.88,1975 1995,1975 2025,2005 2282.29,2005 2287.29,2010 v1(2290,2010)
TOG9: J1.76 U1.28 | length 1270.5
  Top Layer w5: U1.28@1272.01,1946.69 1272.01,1987.99
  Top Layer w10: 1272.01,1987.99 1272.01,2037.01 v1(1290,2055) ; v1(2260,2040) 2280,2040 2297.05,2057.05 J1.76@2390,2057.05
  Bottom Layer w10: v1(1290,2055) 1292.71,2055 1297.71,2060 1300,2060 1330,2090 1560,2090 1625,2025 2242.29,2025 2257.29,2040 v1(2260,2040)
TOG10: J1.72 U1.27 | length 1333.9
  Top Layer w5: U1.27@1252.32,1946.69 1252.32,1992.68
  Top Layer w10: 1252.32,1992.68 1252.32,2070.25 1253.09,2071.02 1253.09,2078.09 v1(1255,2080) ; v1(2285,2105) 2389.29,2105 J1.72@2390,2104.29
  Bottom Layer w10: v1(1255,2080) 1285,2110 1580,2110 1645,2045 2220,2045 2275,2100 2277.29,2100 2282.29,2105 v1(2285,2105)
TRST_N: J1.172 JTAG.2 U9.5 | length 1365.4
  Top Layer w10: U9.5@1442.4,290 1442.57,290.17 v1(1481.23,290.17) ; v1(1539,293) 1539,291 1565,265 ; JTAG.2@1565.79,190.79 1565.79,264.21 1565,265 ; J1.172@2130.16,935 1920,935 1910,945 1770,945 1565,740 1565,410 1535,380 1535,345 1565,315 1565,265
  Bottom Layer w10: v1(1481.23,290.17) 1487.54,290.17 1487.71,290 1490.71,293 v1(1539,293)
USB_D+: D8.1 U1.104 USBB2.3 | length 824.5
  Top Layer w7: D8.1@761.73,3280 766.44,3284.71 794.71,3284.71 819.25,3309.25 ; U1.104@819.25,2783.31 819.25,3309.25 ; USBB2.3@819.25,3528.96 819.25,3519.33 819.25,3309.25
  Top Layer w8: USBB2.3@812.72,3535.49 USBB2.3@819.25,3528.96
USB_D-: D7.1 U1.103 USBB2.2 | length 865.2
  Top Layer w6: 838.94,2845.36 840,2846.42
  Top Layer w7: U1.103@838.94,2783.31 838.94,2845.36 838.94,3311.06 ; USBB2.2@838.94,3546.85 838.94,3524.33 838.94,3311.06 ; D7.1@898.27,3280 895.37,3282.9 867.1,3282.9 838.94,3311.06
  Top Layer w8: USBB2.2@838.94,3546.85 USBB2.2@840.59,3548.5
  Top Layer w10: USBB2.2@838.31,3548.78 841.18,3545.91 USBB2.2@841.18,3524.33
USB_DM: IC2.4 J1.167 | length 438.7
  Top Layer w10: J1.167@2390,970.43 2391.62,972.05 2494.66,972.05 2536.72,930 2738.13,930 2759.84,951.72 2759.84,993.23 IC2.4@2759.68,993.39
USB_DP: IC2.3 J1.165 | length 405.7
  Top Layer w10: J1.165@2390,994.06 2391.89,992.17 2436.15,992.17 2436.26,992.05 2502.95,992.05 2545,950 2729.84,950 2739.84,960 2739.84,993.23 IC2.3@2740,993.39
USBSTATE: DS7.2 Q1.2 Q2.3 | length 199.8
  Top Layer w10: Q2.3@2620,1584.41 2669.41,1584.41 ; DS7.2@2650,1484.53 2650,1565 2669.41,1584.41 ; Q1.2@2709.41,1590.31 2707.24,1590.31 2701.34,1584.41 2669.41,1584.41
VBUSA: C21.2 C22.2 D1.1 SJ2.1 TP4.1 USBA.1 | length 1306.2
  Top Layer w10: v1(2925,1220) 2925,1160.47 2925.47,1160 C22.2@3020,1160 ; v1(2925,1340) 2925,1450 3065,1590 ; C21.2@3021.85,1040 C22.2@3021.85,1155 ; D1.1@3065,1521.73 3065,1590 ; TP4.1@3215,1510 3215,1740 ; USBA.1@3229.17,1832.2 3229.17,1754.17 3215,1740 ; 3065,1590 3215,1740
  Bottom Layer w10: v1(2925,1220) v1(2925,1340)
VBUSB: D4.1 Q3.1 R15.2 TP5.1 USBB1.1 USBBOOT.3 | length 1115.1
  Top Layer w10: Q3.1@2964.68,910.59 3064.09,910.59 R15.2@3065,910.59 ; R15.2@3065,909.69 3394.69,909.69 ; TP5.1@3310,795 3317.46,802.46 3317.46,832.46 3394.69,909.69 ; D4.1@3375,1201.73 3491.73,1201.73 ; USBB1.1@3563.94,1235.93 3525.93,1235.93 3491.73,1201.73 ; 3394.69,909.69 USBBOOT.3@3455,970 3455,1165 3491.73,1201.73
VDDA: C40.1 C41.1 FB1.2 U1.32 U1.33 | length 329.5
  Top Layer w5: U1.32@1350.75,1946.69 1350,1945.94 1350,1905 1350,1872.91 C41.1@1370,1852.91 ; U1.33@1370.43,1946.69 1370.43,1905.43 1370,1905 1390,1885 C40.1@1417.68,1885
  Top Layer w10: C41.1@1370,1852.91 C41.1@1370,1852.32 1423.62,1852.32 ; C40.1@1417.68,1885 1412.29,1879.61 1412.29,1863.65 1423.62,1852.32 ; FB1.2@1449.88,1830 1445.94,1830 1423.62,1852.32
pads on no net: HDMIPORT.14 J1.4 J1.6 J1.10 J1.12 J1.16 J1.18 J1.22 J1.24 J1.33 J1.35 J1.45 J1.69 J1.71 J1.75 J1.77 J1.93 J1.94 J1.95 J1.96 J1.99 J1.100 J1.101 J1.102 J1.105 J1.106 J1.107 J1.108 J1.112 J1.114 J1.118 J1.120 J1.124 J1.126 J1.128 J1.130 J1.132 J1.135 J1.136 J1.137 J1.138 J1.141 J1.142 J1.143 J1.144 J1.147 J1.148 J1.149 J1.150 J1.153 J1.154 J1.155 J1.156 J1.158 J1.159 J1.160 J1.161 J1.162 J1.166 J1.179 J1.MH1 J1.MH2 J2.MH1 J2.MH2 STLINK.11 STLINK.17 STLINK.19 U1.1 U1.2 U1.3 U1.4 U1.5 U1.7 U1.8 U1.9 U1.11 U1.12 U1.13 U1.14 U1.15 U1.18 U1.19 U1.20 U1.21 U1.22 U1.26 U1.34 U1.35 U1.49 U1.50 U1.53 U1.54 U1.55 U1.60 U1.77 U1.78 U1.79 U1.80 U1.81 U1.82 U1.85 U1.86 U1.87 U1.88 U1.89 U1.90 U1.91 U1.92 U1.93 U1.96 U1.97 U1.98 U1.102 U1.111 U1.112 U1.113 U1.114 U1.115 U1.116 U1.117 U1.118 U1.119 U1.122 U1.123 U1.124 U1.125 U1.126 U1.127 U1.128 U1.129 U1.132 U1.135 U1.136 U1.137 U1.139 U1.140 U1.141 U1.142 U8.5 U8.6 U9.1 U9.3 U10.4 U12.4 USBB1.4 USBB2.4

## Polygon pours and split planes (outlines as drawn)
GND on Layer 1 "GND_L02_P000" (solid, pour order 0): 50,3520 220,3690 3540,3690 3720,3510 3720,308.02 3461.98,50 280,50 50,280
3.3V on Layer 2 "3.3V_L03_P001" (solid, pour order 1): 640,3085 755,3200 2615,3200 2615,1050 2360,795 1280,795 1135,940 1045,1030 1045,1760 640,2120
CHGND on Bottom Layer "CHGND_L04_P002" (solid, pour order 2): 50,3515 220,3685 3545,3685 3730,3500 3725,3495 3725,310 3720,310 3455,45 290,45 40,295

## Silkscreen, mask and mechanical layers (free items; w line width, h text height)
Top Overlay:
  text "RAS PI COMPUTE MOD / I/O TEST BOARD / RPL 2021" at 2535,3420 h60
  text "GP1" at 3315.88,3051 h32
  text "GP2" at 3315.88,2951.43 h32
  text "GP3" at 3315.88,2851.86 h32
  text "GP4" at 3315.88,2752.29 h32
  text "GP5" at 3315.88,2652.72 h32
  text "GND" at 3315.88,2553.15 h32
  text "VBB" at 3471.85,805.88 h32 r90
  text "GND" at 3671.85,805.88 h32 r90
Mechanical 1:
  lines w10: 3520.39,3730.75 cw(c3515.88,3500.8) 3745.87,3500.8 ; 3520.39,3730.8 240.02,3730.8 ccw(c235,3495) 0,3515 0,225 ccw(c224.73,225) 220.32,0.31 3505,0.31 ccw(c3505,240.05) 3744.69,235.35 ; 3745.55,335.57 3745.55,3501.38 ; 3745.65,238.67 3745.65,333.58

## Text inside footprints (layer, text, board x,y; h text height)
HDMIPORT: Top 3D Body "PCB Edge" at 13.5,1368.3 h24 r270
JTAG: Top Overlay "8" at 1705.55,192.76 h32; Top Overlay "1" at 1512.64,192.76 h32
STLINK: Top Overlay "20" at 147.64,2969.09 h32 r90; Top Overlay "19" at 403.54,2969.09 h32 r90; Top Overlay "1" at 403.54,1969.09 h32 r90; Top Overlay "2" at 147.64,1957.28 h32 r90
USBA: Top 3D Body "PCB Edge" at 3788.62,1883.39 h32 r90
USBB1: Mechanical 1 "PCB Edge" at 3731.85,1461.32 h29.53 r90
USBB2: Mechanical 1 "PCB Edge" at 640.79,3716.42 h29.53 r180